# KiCad board SparkFun_GNSS_ZED-X20P_panelized.kicad_pcb (continued)
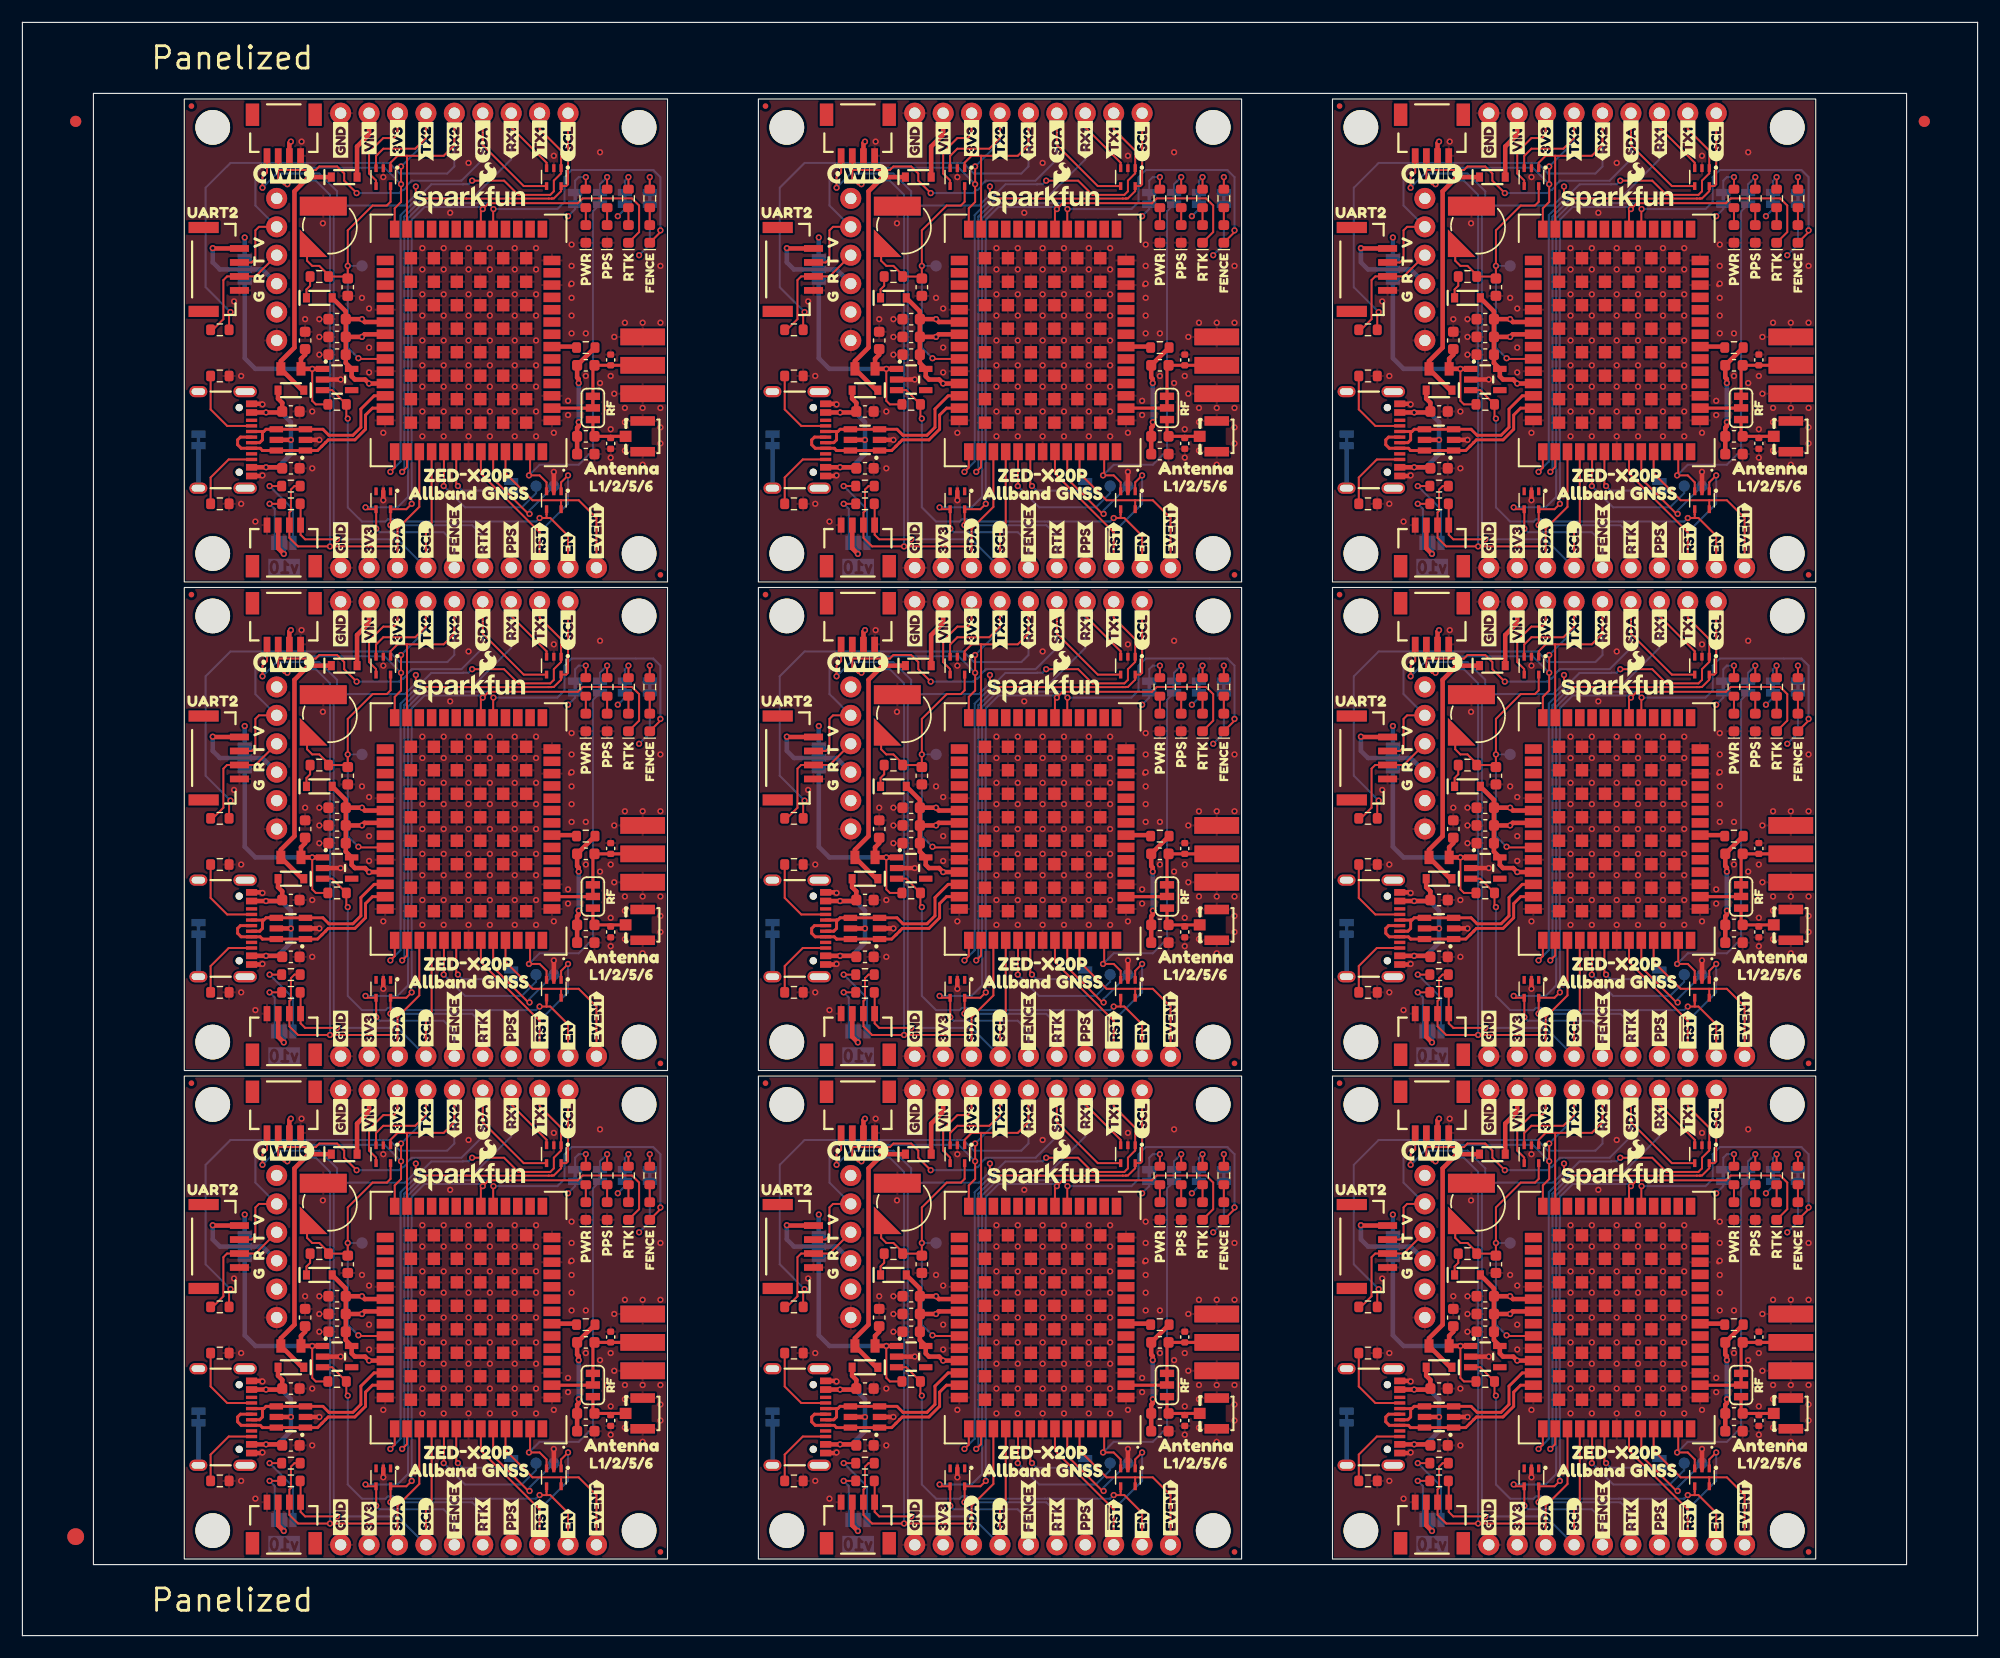
[diagram p0: board, top side]
## Copper pours and planes (outline as drawn; the poured copper is in the pictures) (continued)
GND on Top, Bottom, L2.Cu: 117.07,6.85 117.07,50.03 160.25,50.03 160.25,6.85
GND on Top, Bottom, L2.Cu: 65.77,94.21 65.77,137.39 108.95,137.39 108.95,94.21

## Text on the board
Bottom: v10
V-score: V-SCORE | ROUTE OUT
Fab.Info: Layers: 4 | Solder Mask: Red | Silkscreen Color: White | Thickness: 1.6mm | Finish: ENIG | Controlled Impedance: JLC04161H-7628 | Material: TG155 | No Clean Process | Outer Copper Weight: 1oz | Inner Copper Weight: 0.5oz | Ordering Notes
F.Silkscreen: Panelized
